# Altium PCB EVT_A.PcbDoc (part 1 of 2) (continued)
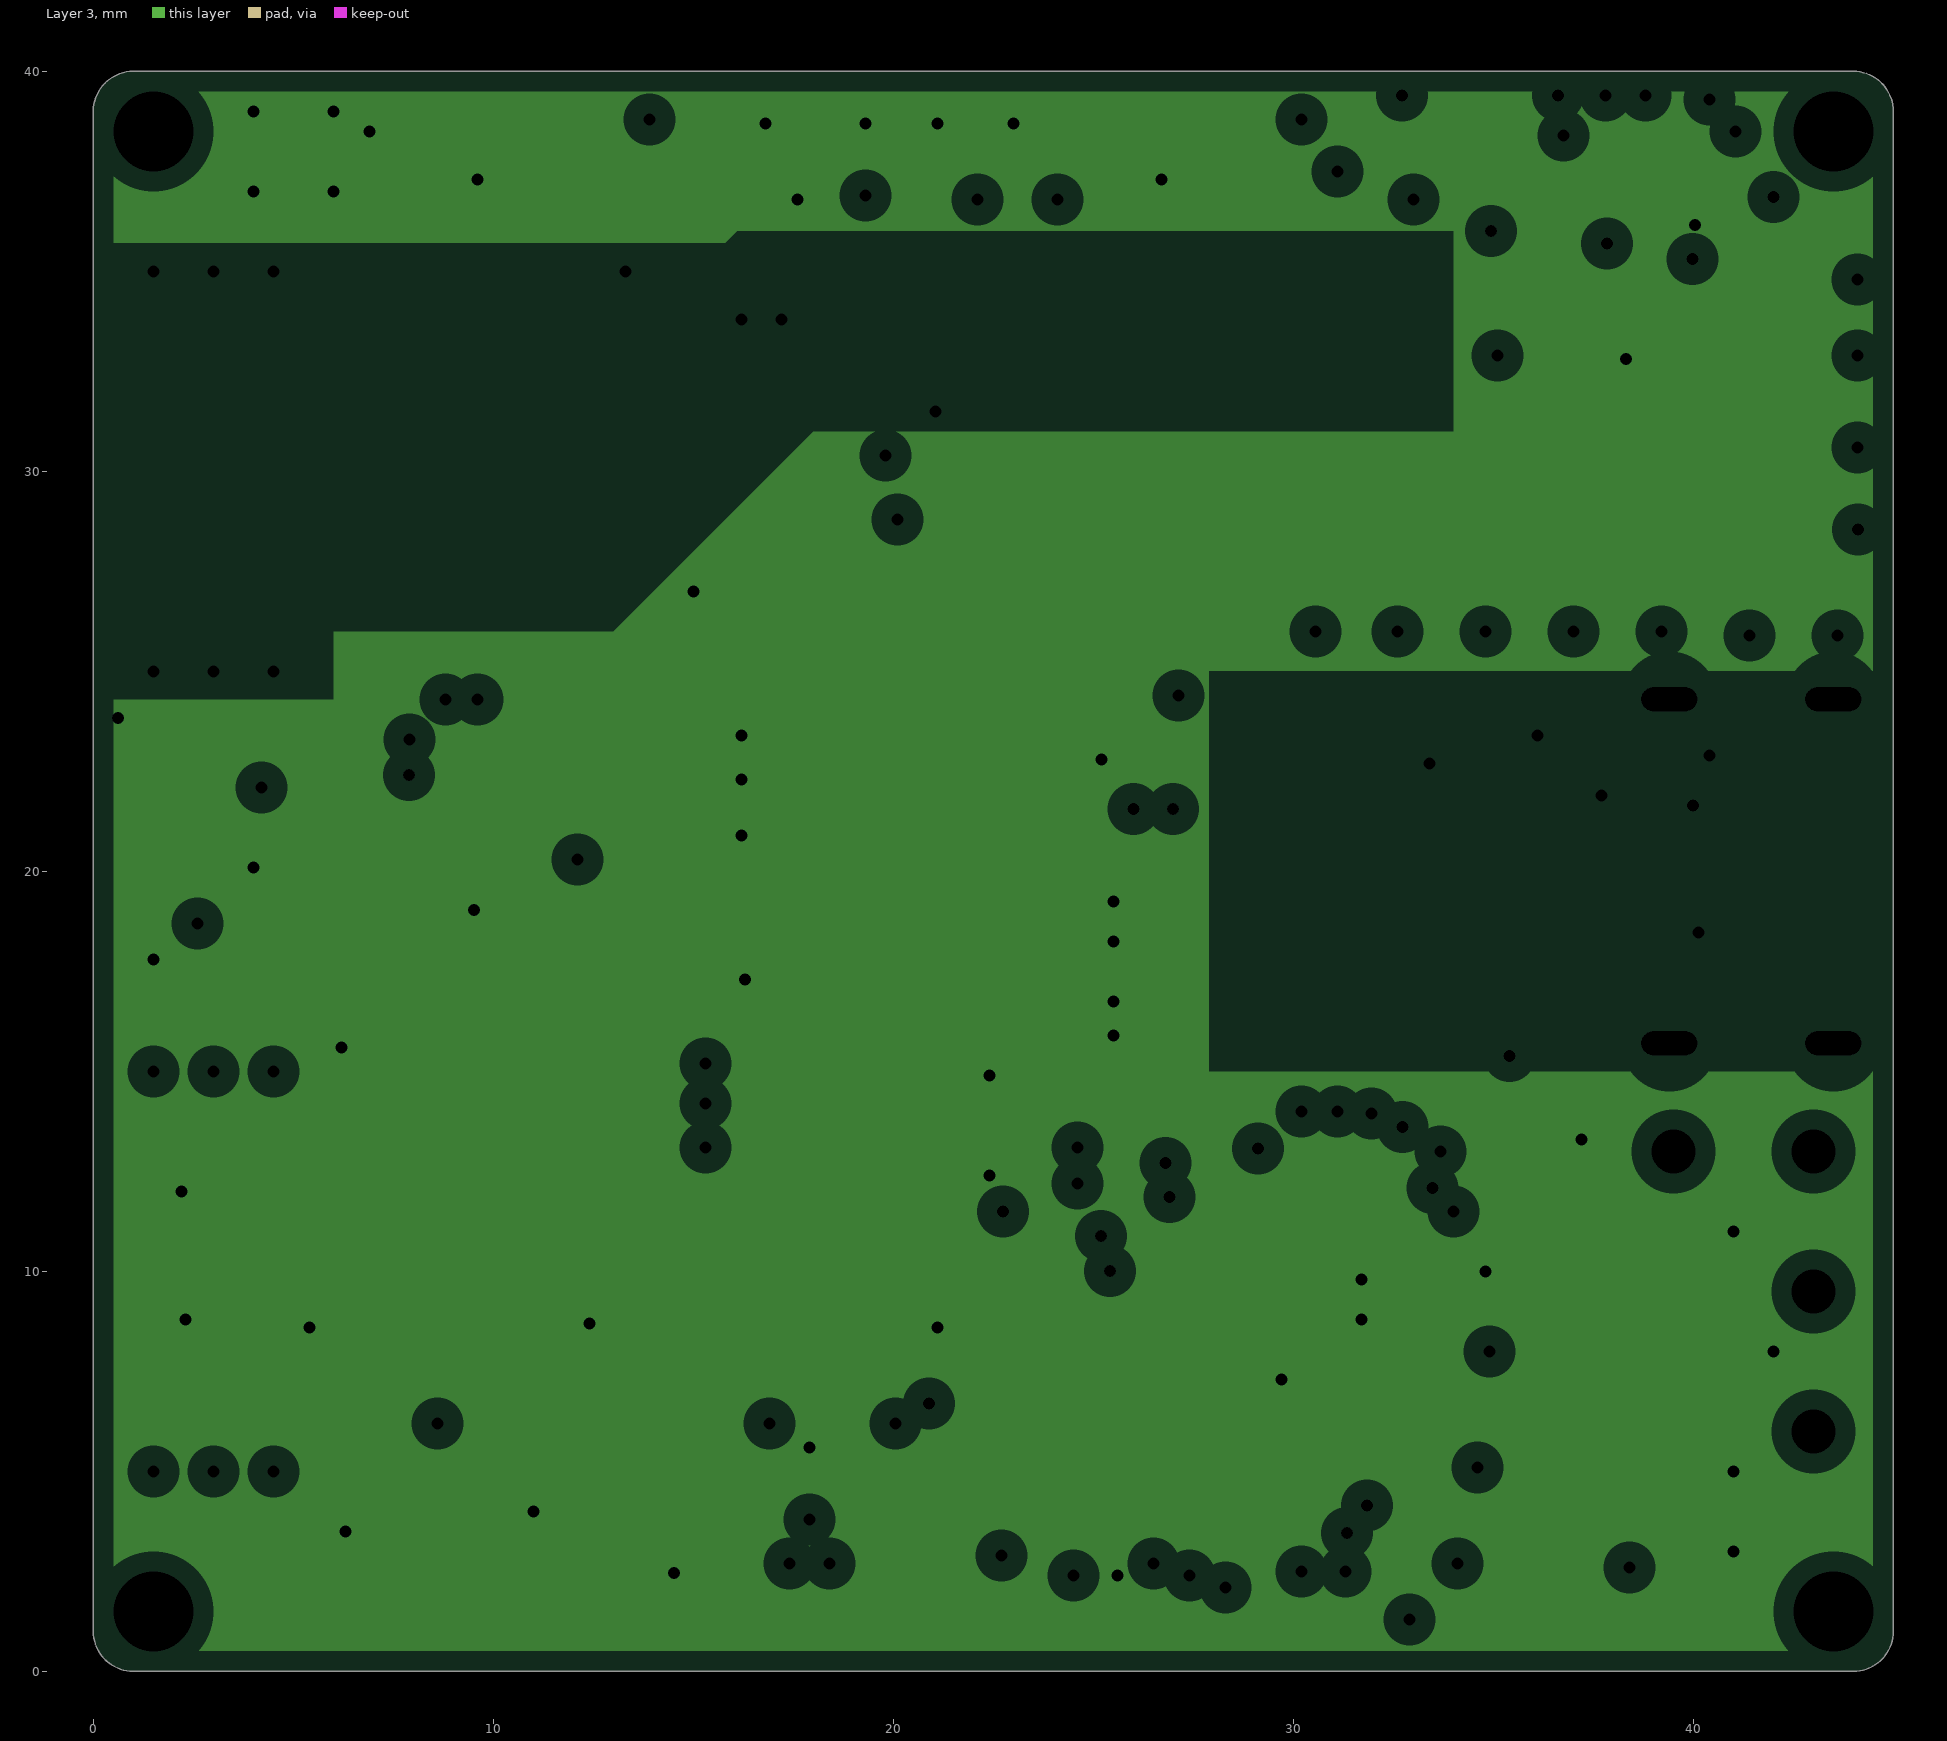
[diagram p3: Layer 3, clearances drawn from the general rule]
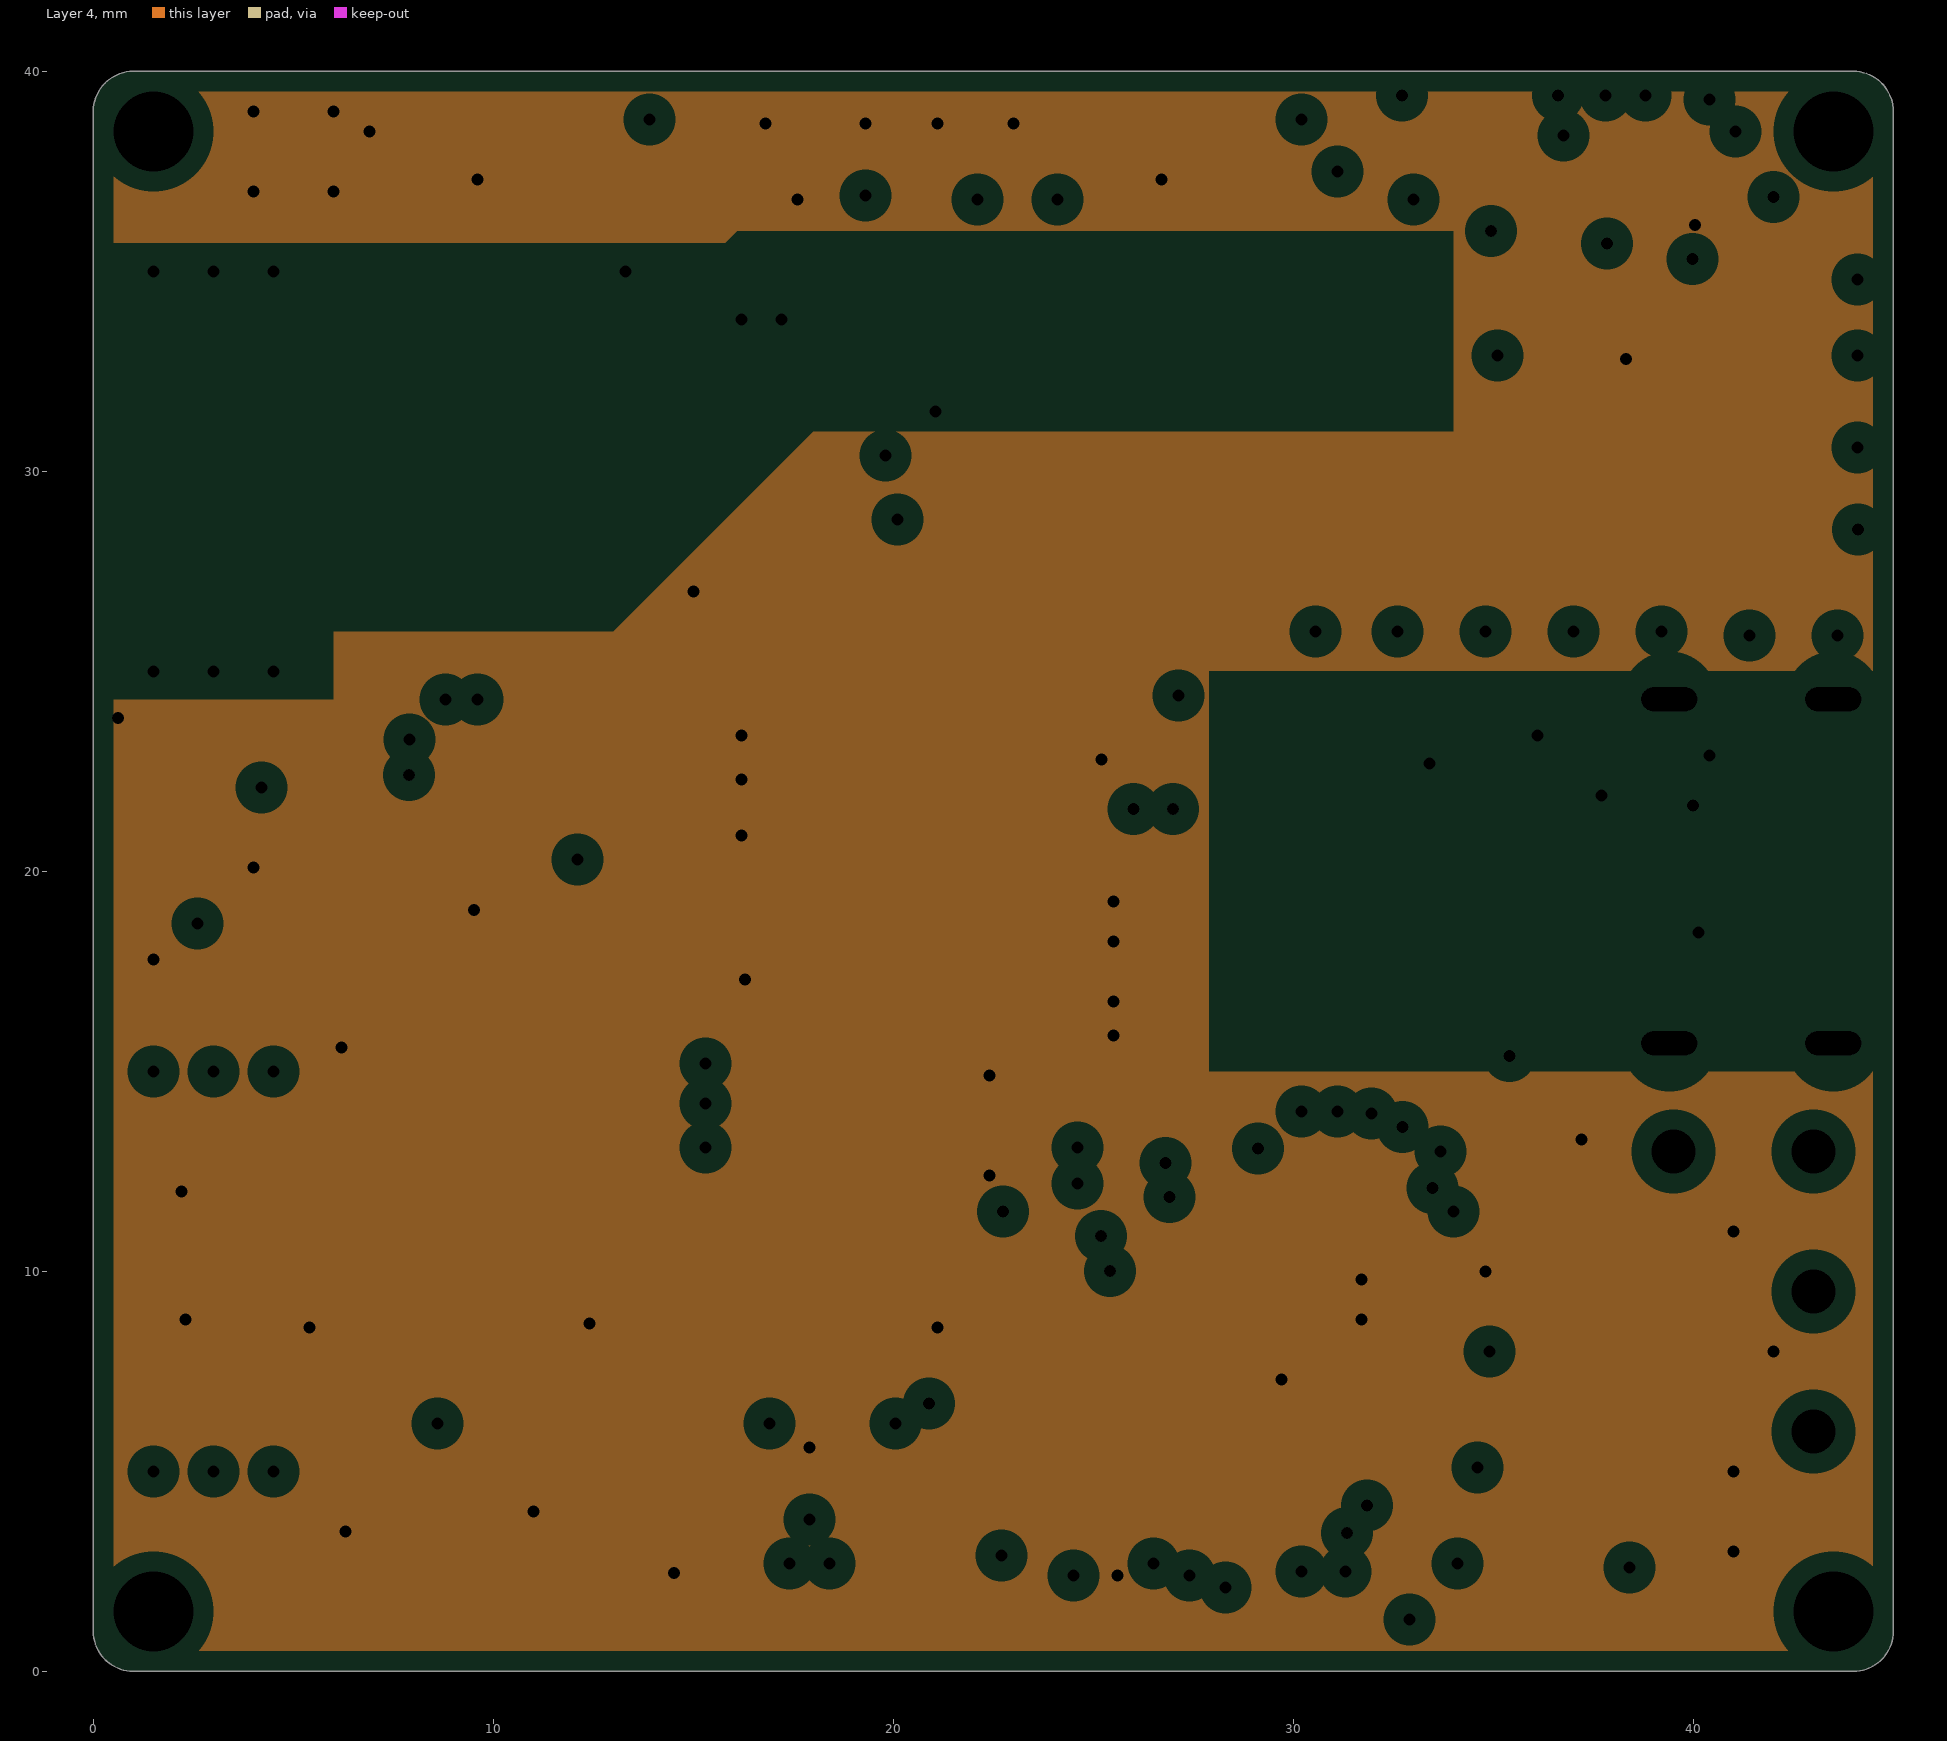
[diagram p4: Layer 4, clearances drawn from the general rule]
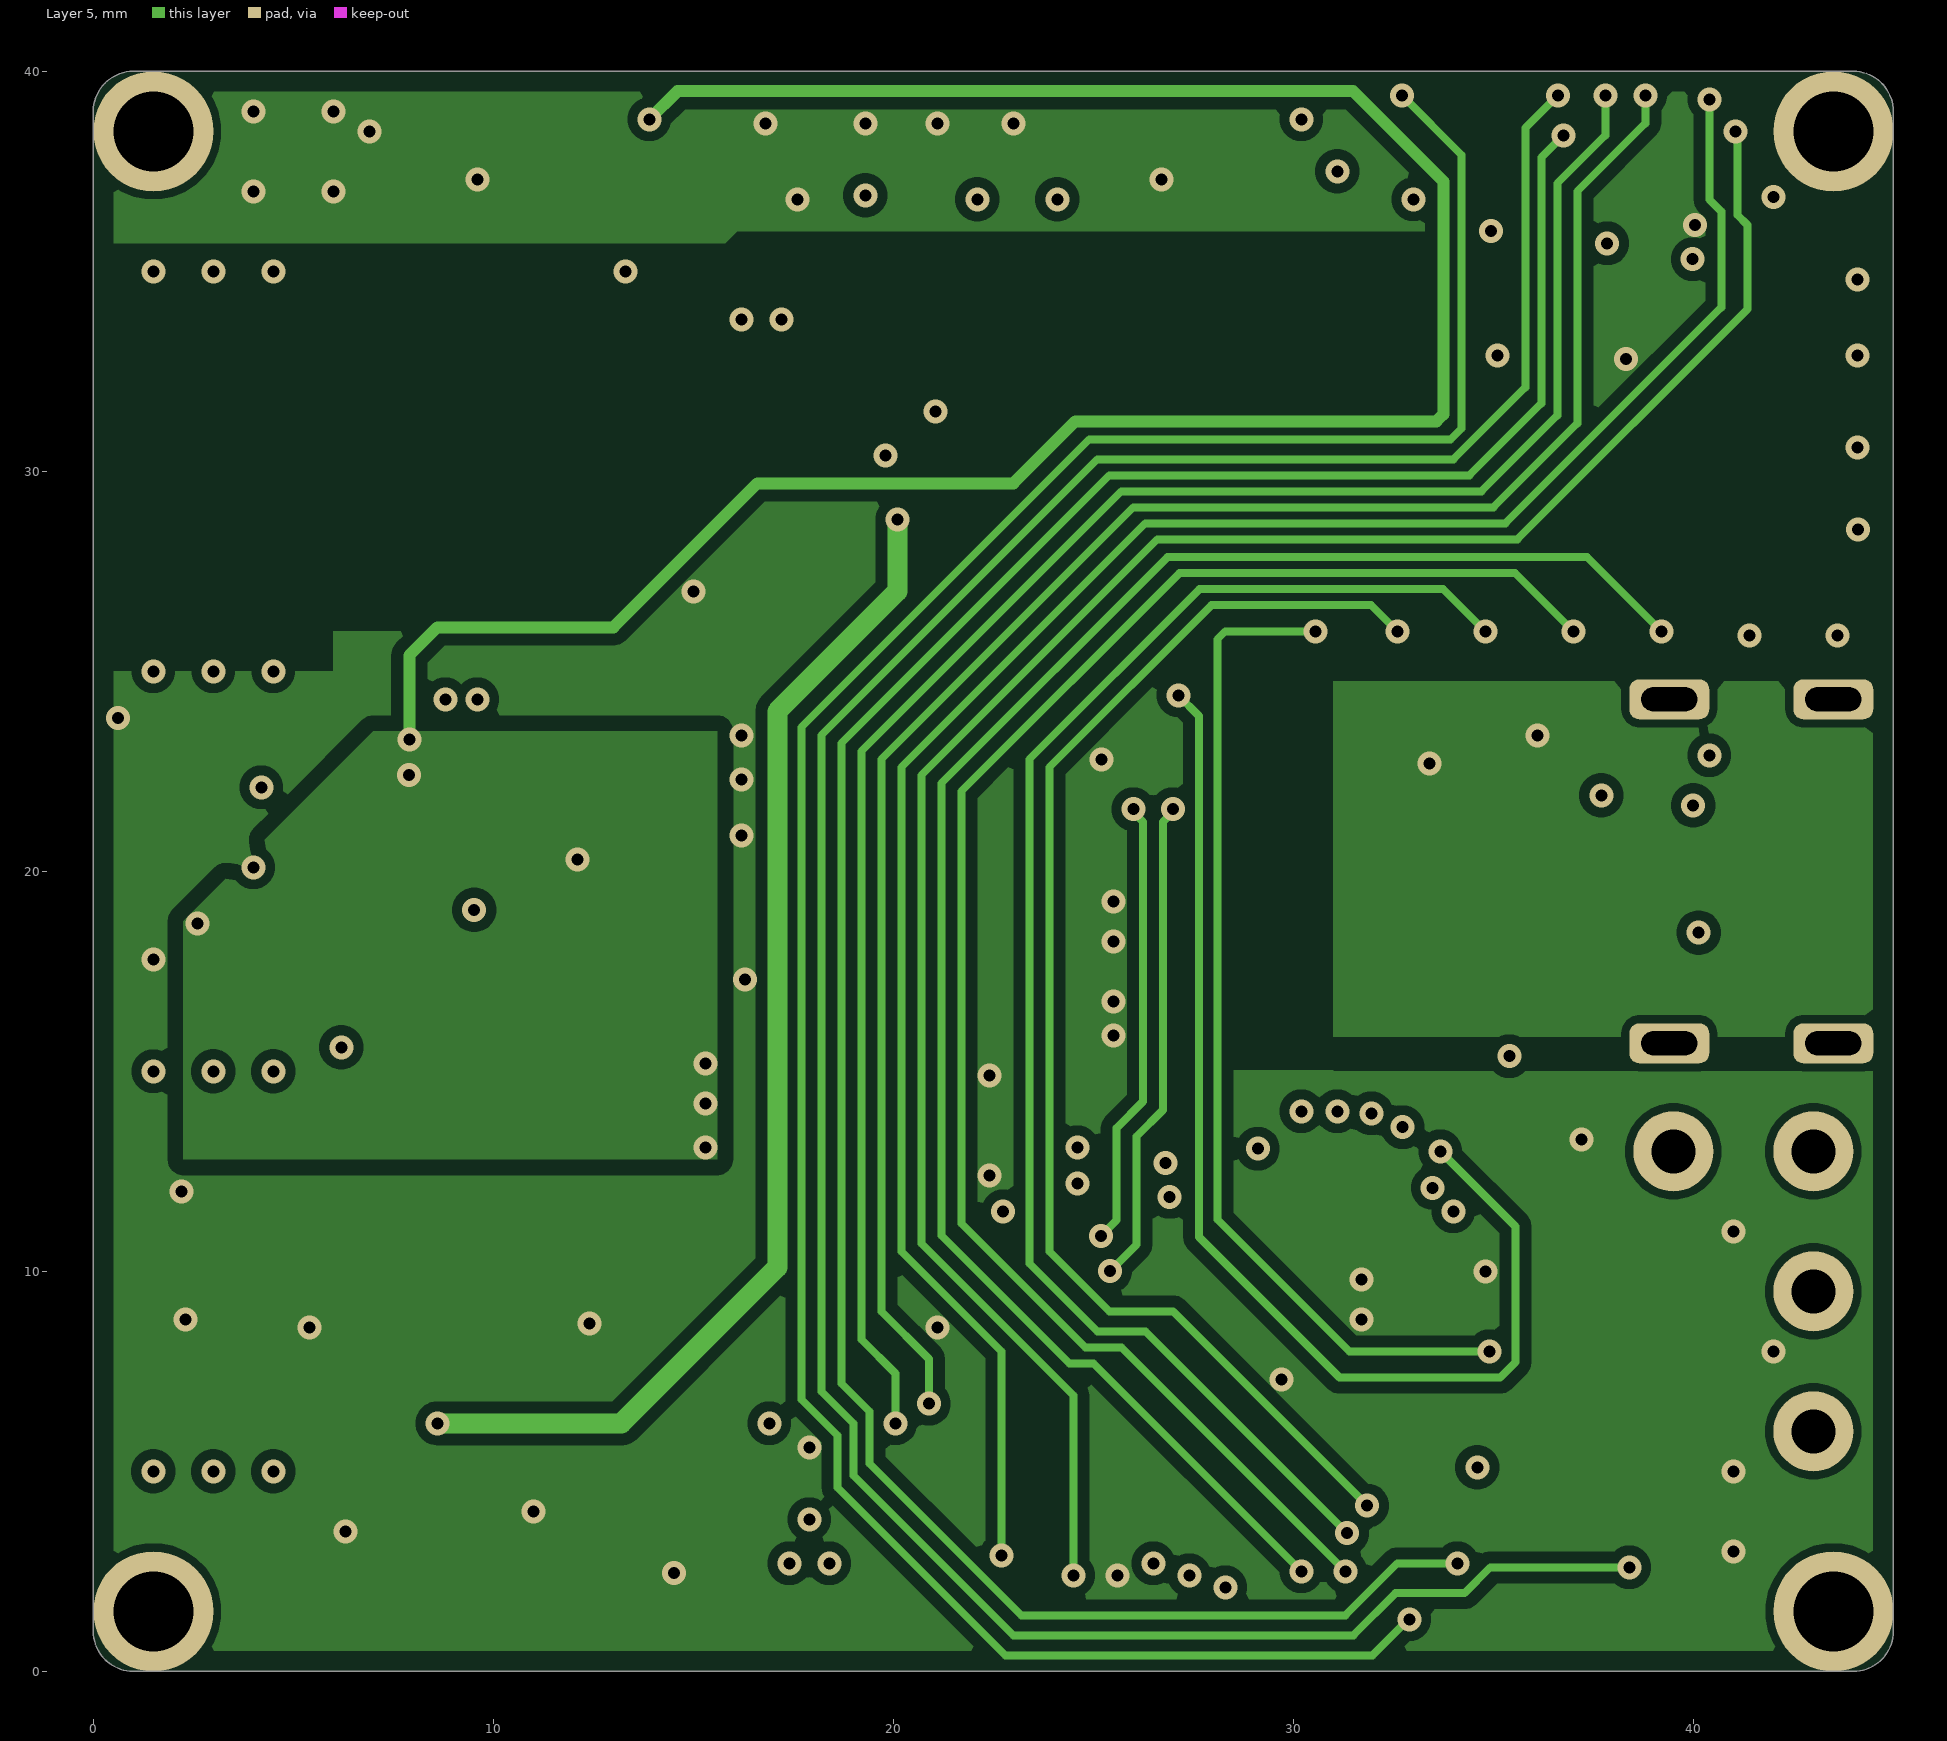
[diagram p5: Layer 5]
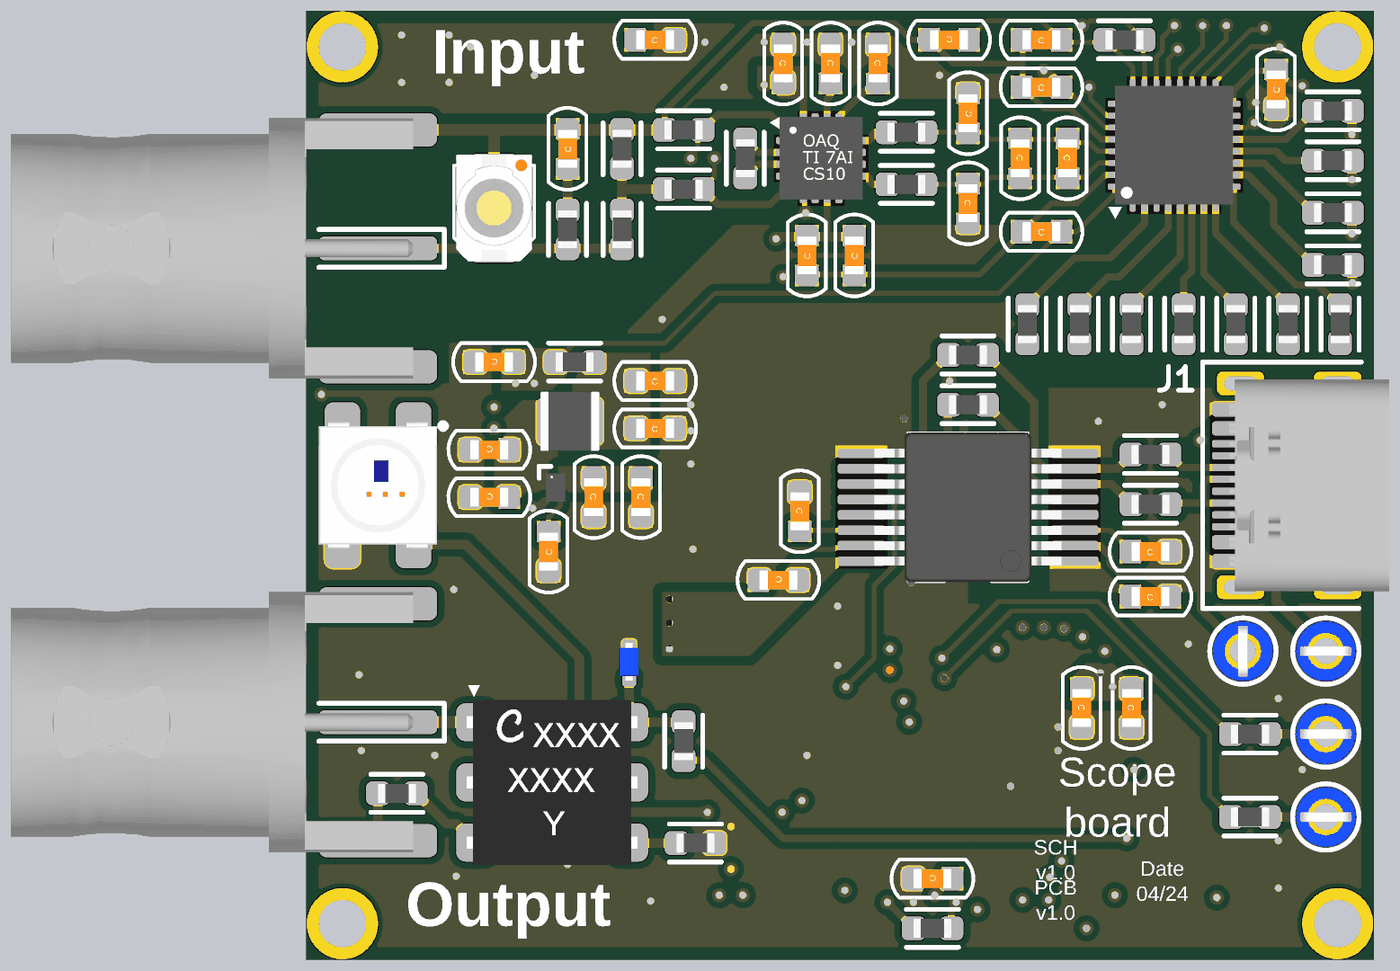
[diagram p7: 3D render of the assembled board from above, using the file's embedded part models]
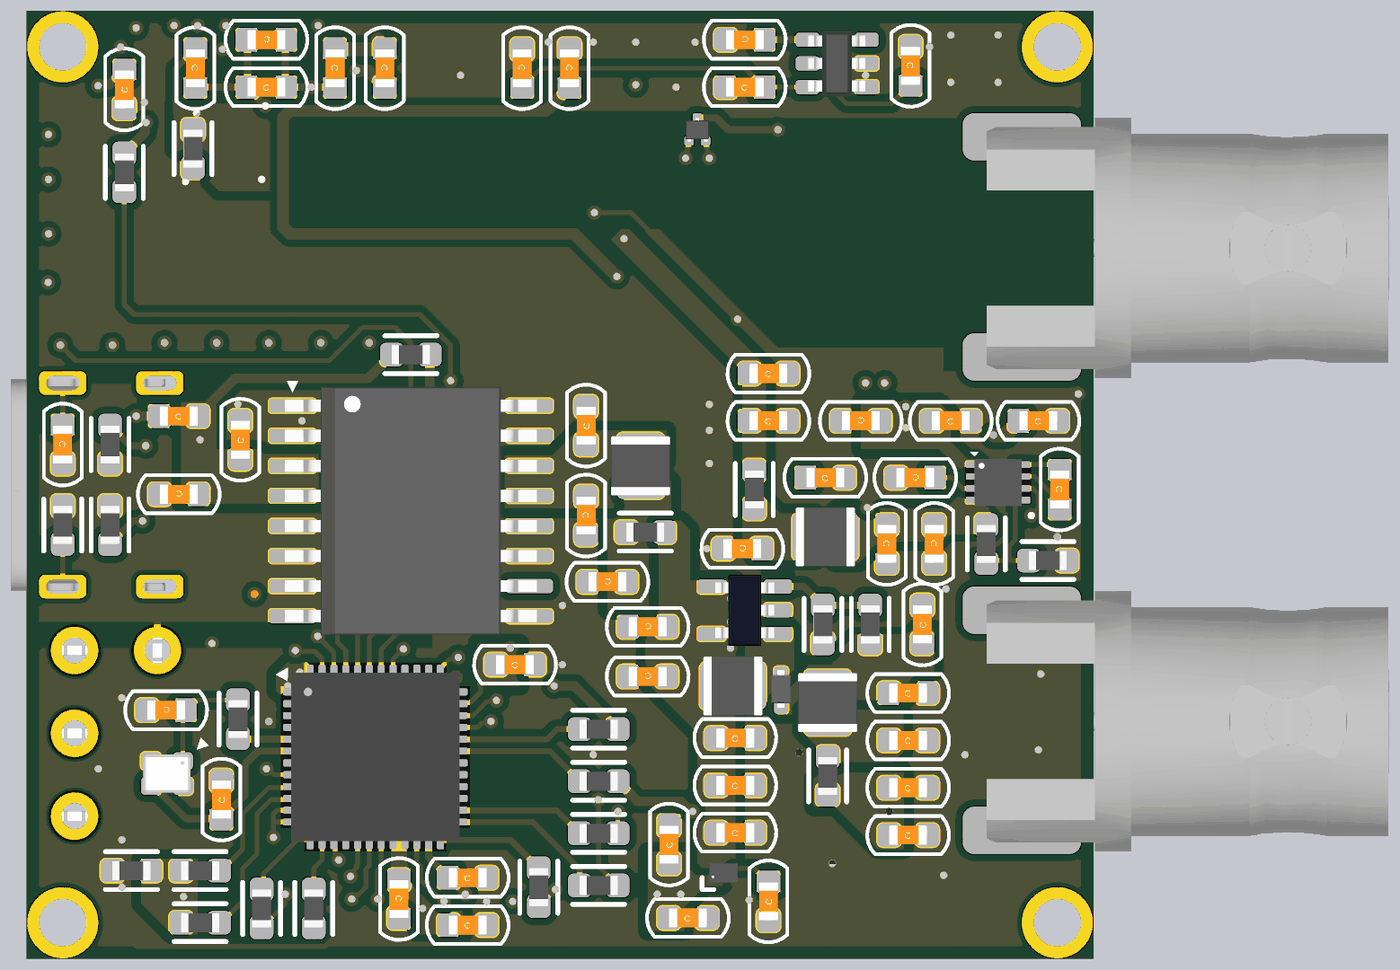
[diagram p8: 3D render of the assembled board from below, using the file's embedded part models]

## Layer stack, top to bottom
Top Solder: solder mask 0.0102, Solder Resist, Dk 3.5
Layer 1: signal copper 0.035
Dielectric 2: prepreg 0.0711, PP-006, Dk 4.1
Layer 2: signal copper 0.035
Dielectric 1: prepreg 0.0711, PP-006, Dk 4.1
Layer 3: plane copper 0.0356, net GND
Fiberglass: core 0.9906, Core-042, Dk 4.6
Layer 4: plane copper 0.0356, net GND
Dielectric 4: prepreg 0.0711, PP-006, Dk 4.1
Layer 5: signal copper 0.035
Dielectric 3: prepreg 0.0711, PP-006, Dk 4.1
Layer 6: signal copper 0.035
Bottom Solder: solder mask 0.0102, Solder Resist, Dk 3.5

## Board outline
0,1 0,39 cw(c1,39) 1,40 44,40 cw(c44,39) 45,39 45,1 cw(c44,1) 44,0 1,0 cw(c1,1)
